# Altium PCB Mirny.PcbDoc (part 6 of 8)
Units mm, origin at the board's own origin, x right, y up, seen from the top; angles counter-clockwise.
Board outline 161.99 x 100.04 mm, 6 copper layers (L1, P2, L3, L4, P5, L6), stack 1.56 mm thick; 832 components, 485 nets, 2438 pads, 1482 vias.
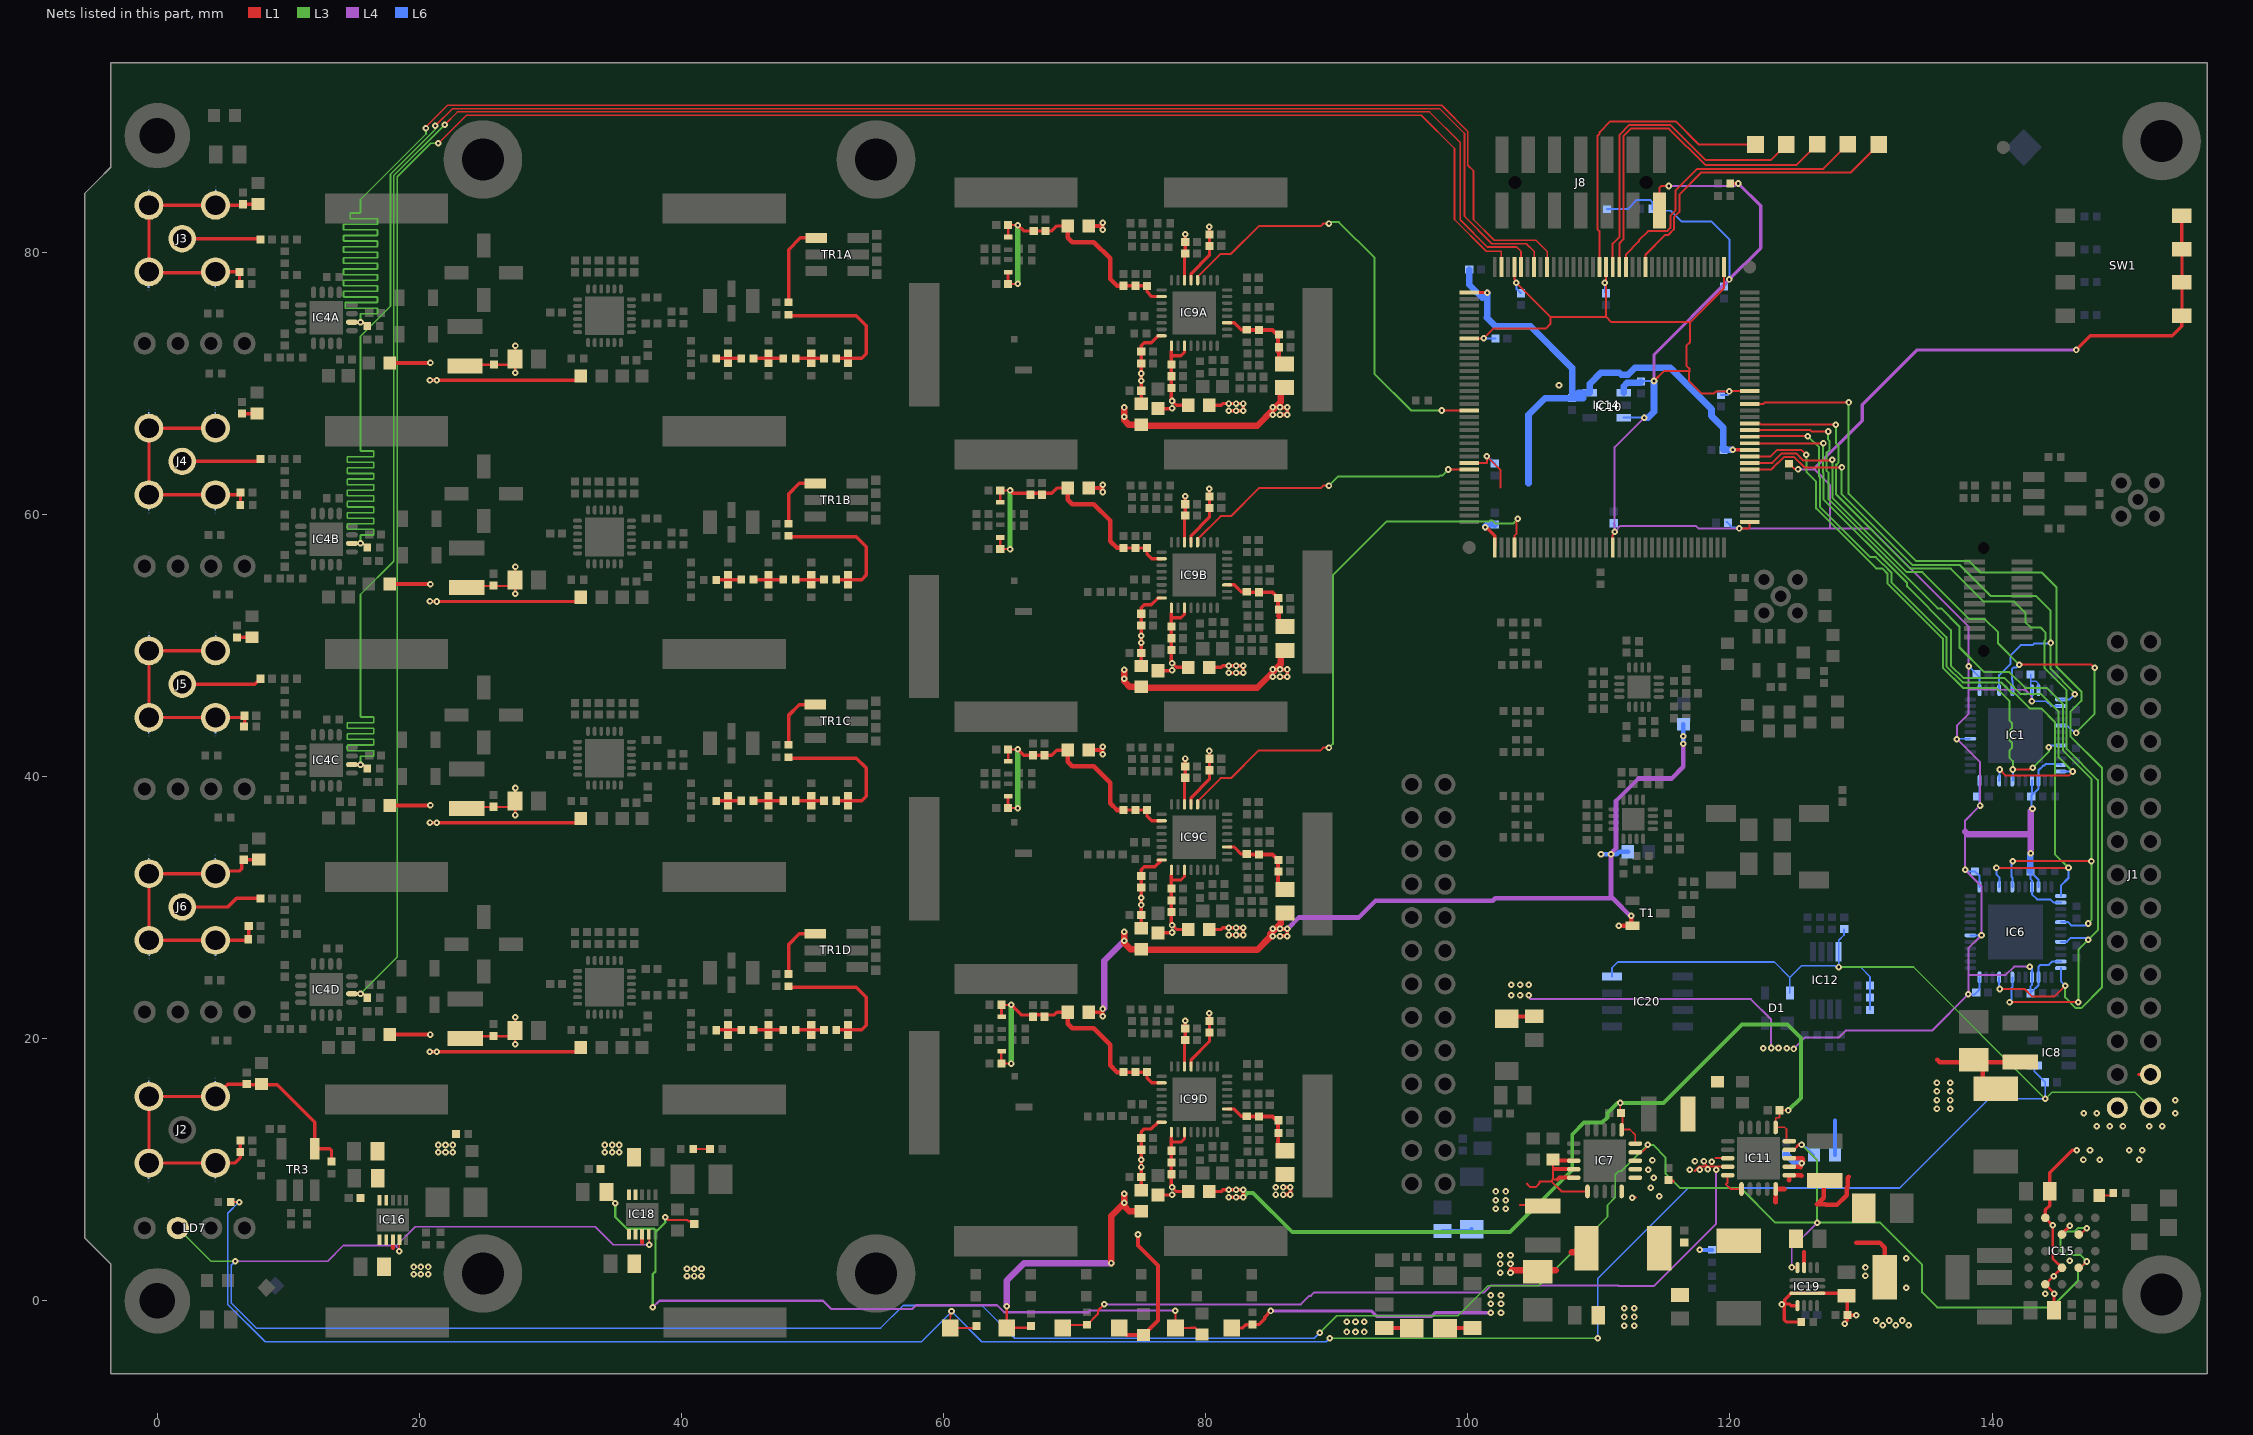
[diagram p10: the nets of this part, all layers, seen from the top]

## Via types
v1: diameter 0.5, hole 0.2, L1 to L6, tented both sides, 1370 vias
v2: diameter 0.6, hole 0.3, L1 to L6, tented both sides, 76 vias
v3: diameter 0.66, hole 0.33, L1 to L6, tented both sides, 36 vias

## Nets (pads, with @x,y where several pads share a name; then routed paths per layer and width w, separated by ;. In a path a pad name is that pad's centre, name@x,y a point inside that pad or via, vN(x,y) a via of type N, cw(c..) or ccw(c..) an arc to the next point about the centre after c; other vN are vias at no path point) (continued)
NetR19A_2: R19A.2 R34A.1 R39A.2 R47A.2 | length 10.8
  L1 w0.265: R47A.2@48.169,75.166 53.346,75.166 54.098,74.414 54.098,72.264 53.748,71.914 R34A.1@51.81,71.914
NetR19B_2: R19B.2 R34B.1 R39B.2 R47B.2 | length 10.8
  L1 w0.265: R47B.2@48.169,58.287 53.346,58.287 54.098,57.535 54.098,55.385 53.748,55.035 R34B.1@51.81,55.035
NetR19C_2: R19C.2 R34C.1 R39C.2 R47C.2 | length 10.8
  L1 w0.265: R47C.2@48.169,41.408 53.346,41.408 54.098,40.656 54.098,38.506 53.748,38.156 R34C.1@51.81,38.156
NetR19D_2: R19D.2 R34D.1 R39D.2 R47D.2 | length 10.8
  L1 w0.265: R47D.2@48.167,23.92 53.344,23.92 54.096,23.168 54.096,21.018 53.746,20.668 R34D.1@51.808,20.668
NetR20A_2: R20A.2 R34A.2 R36A.1 R40A.2 | length 2.2
  L1 w0.265: R36A.1@48.71,71.914 R34A.2@50.87,71.914
NetR20B_2: R20B.2 R34B.2 R36B.1 R40B.2 | length 2.2
  L1 w0.265: R36B.1@48.71,55.035 R34B.2@50.87,55.035
NetR20C_2: R20C.2 R34C.2 R36C.1 R40C.2 | length 2.2
  L1 w0.265: R36C.1@48.71,38.156 R34C.2@50.87,38.156
NetR20D_2: R20D.2 R34D.2 R36D.1 R40D.2 | length 2.2
  L1 w0.265: R36D.1@48.708,20.668 R34D.2@50.868,20.668
NetR22A_2: R22A.2 R36A.2 R37A.1 R41A.2 | length 2.3
  L1 w0.265: R37A.1@45.494,71.914 R36A.2@47.77,71.914
NetR22B_2: R22B.2 R36B.2 R37B.1 R41B.2 | length 2.3
  L1 w0.265: R37B.1@45.494,55.035 R36B.2@47.77,55.035
NetR22C_2: R22C.2 R36C.2 R37C.1 R41C.2 | length 2.3
  L1 w0.265: R37C.1@45.494,38.156 R36C.2@47.77,38.156
NetR22D_2: R22D.2 R36D.2 R37D.1 R41D.2 | length 2.3
  L1 w0.265: R37D.1@45.492,20.668 R36D.2@47.768,20.668
NetR31A_2: R31A.2 R37A.2 R38A.2 R42A.2 | length 1.9
  L1 w0.265: R38A.2@42.643,71.889 42.668,71.914 R37A.2@44.554,71.914
NetR31B_2: R31B.2 R37B.2 R38B.2 R42B.2 | length 1.9
  L1 w0.265: R38B.2@42.643,55.01 42.668,55.035 R37B.2@44.554,55.035
NetR31C_2: R31C.2 R37C.2 R38C.2 R42C.2 | length 1.9
  L1 w0.265: R38C.2@42.643,38.131 42.668,38.156 R37C.2@44.554,38.156
NetR31D_2: R31D.2 R37D.2 R38D.2 R42D.2 | length 1.9
  L1 w0.265: R38D.2@42.641,20.643 42.666,20.668 R37D.2@44.552,20.668
NetR47A_1: R47A.1 TR1A.3 | length 6.5
  L1 w0.265: R47A.1@48.169,76.182 48.169,80.203 49.07,81.104 TR1A.3@50.291,81.104
NetR47B_1: R47B.1 TR1B.3 | length 4.6
  L1 w0.265: 48.165,61.542 48.996,62.373 TR1B.3@50.217,62.373 ; R47B.1@48.169,59.303 48.169,61.542
NetR47C_1: R47C.1 TR1C.3 | length 4.6
  L1 w0.265: 48.165,44.663 48.996,45.494 TR1C.3@50.217,45.494 ; R47C.1@48.169,42.424 48.169,44.663
NetR47D_1: R47D.1 TR1D.3 | length 4.6
  L1 w0.265: 48.163,27.175 48.994,28.006 TR1D.3@50.215,28.006 ; R47D.1@48.167,24.936 48.167,27.175
NetR107_1: R107.1 R108.2 | length 1.1
  L1 w0.152: R108.2@148.181,8.042 R107.1@149.244,8.042
NetR114_1: R114.1 R131.2 | length 1.3
  L1 w0.152: R114.1@40.888,11.591 R131.2@42.171,11.591
P1V8D: C198.2 C199.2 C200.2 C201.2 IC10.1 IC10.37 IC10.84 IC14.5 | length 48.3
  L1 w0.254: IC10.1@100.104,76.934 v1(101.494,76.934) ; v1(101.334,59.027) 101.399,59.027 102.054,58.372 IC10.37@102.054,57.484 ; v1(120.204,64.934) IC10.84@121.504,64.934
  L6 w0.5: C201.2@100.104,78.684 100.104,77.534 101.104,76.534 v1@101.494,76.923 ; v1(101.334,59.027) 101.334,59.093 101.492,59.252 102.036,59.252 C199.2@102.054,59.234 ; v1(101.494,76.934) v1@101.494,76.923 ; 104.628,62.393 104.628,67.608 105.904,68.884 C198.2@107.954,68.884 ; v1(120.204,64.934) C200.2@119.504,64.934 119.504,66.61 118.592,67.522 118.592,68.046 115.454,71.184 112.74,71.184 112.219,70.662 111.7,70.662 111.563,70.799 110.132,70.799 109.294,69.961 IC14.5@109.294,69.286 108.411,69.286 108.814,68.884 C198.2@107.954,68.884 ; v1@101.494,76.923 101.494,75.057 101.454,75.017 102.112,74.359 104.779,74.359 107.954,71.184 C198.2@107.954,68.884
P3V3: C2.2 C3.2 C4.2 C5.2 C6.2 C7.2 C8.2 C9.2 C104.2 C106.2 C166.2 C184.2 C185.2 C186.2 C187.2 C188.2 C192.2 C193.2 C197.2 IC1.2 IC1.11 IC1.15 IC1.16 IC1.24 IC1.30 IC1.37 IC1.45 IC1.46 IC6.2 IC6.11 IC6.15 IC6.16 IC6.24 IC6.30 IC6.37 IC6.45 IC6.46 IC10.8 IC10.27 IC10.55 IC10.73 IC10.93 IC10.109 IC10.127 IC10.141 IC11.1 IC11.18 IC11.19 IC11.20 IC14.1 IC14.3 J8.2 L10.2 R1.2 R66.2 R67.2 R115.1 R118.2 R130.2 SW1.1 SW1.2 SW1.3 SW1.4 TP12.1 | length 385.7
  L1 w0.152: TP12.1@69.102,-2.07 69.344,-1.828 R115.1@70.943,-1.828 71.779,-0.992 71.779,-0.74 v1(72.251,-0.269) ; IC10.27@100.104,63.934 101.454,63.934 v1(101.454,64.434) 102.478,63.41 102.478,62.067 ; IC10.8@100.104,73.434 v1(101.204,73.434) 101.954,74.184 105.954,74.184 106.304,74.534 106.304,75.084 ; IC10.141@103.554,78.884 103.554,77.934 103.704,77.784 v1(103.704,77.684) 106.304,75.084 ; IC10.55@111.054,57.484 111.054,58.434 111.204,58.584 v1(111.204,58.684) ; v1(114.204,70.184) 114.954,70.934 116.915,70.934 ; J8.2@114.611,83.199 114.611,84.922 114.753,85.065 v1(115.342,85.065) ; 117.294,9.888 117.636,10.23 v1@118.319,10.23 ; v1@117.994,10.555 v1@118.319,10.23 ; 118.879,10.888 119.823,10.888 IC11.18@119.831,10.88 ; IC10.109@119.554,78.884 119.554,77.284 116.954,74.684 ; IC11.20@119.831,9.58 119.831,9.026 119.693,8.888 120.051,8.53 IC11.1@120.881,8.53 ; IC11.19@119.831,10.23 v1@118.319,10.23 ; v1(119.954,69.387) 118.943,69.387 118.769,69.213 117.851,69.213 116.882,70.182 116.882,70.901 116.915,70.934 ; 120.204,69.434 IC10.93@121.504,69.434 ; v1(120.704,58.934) 121.454,58.934 121.504,58.984 IC10.73@121.504,59.434 ; R1.2@124.504,63.885 124.935,63.453 ; SW1.1@154.474,75.173 SW1.1@154.495,75.194 ; SW1.3@154.474,80.253 SW1.3@154.495,80.233 ; 106.304,75.084 110.554,75.084 ; 110.554,75.084 IC10.127@110.554,78.884 ; 110.554,75.084 110.954,74.684 116.954,74.684 ; IC10.127@110.554,78.884 110.554,77.684 IC10.127@110.554,78.884 ; 116.915,70.934 116.915,71.12 116.675,71.36 116.675,72.882 116.954,73.161 116.954,74.684
  L1 w0.25: R130.2@120.028,85.255 v1(120.646,85.255) ; v1(146.419,72.555) 147.502,73.638 153.743,73.638 154.474,74.37 SW1.1@154.474,75.173 ; SW1.3@154.474,80.253 SW1.4@154.474,82.793 ; SW1.1@154.495,75.194 SW1.3@154.495,80.233
  L1 w0.3: L10.2@102.964,21.529 103.144,21.71 C106.2@105.059,21.71
  L4 w0.127: 138.219,46.569 138.288,46.638 142.544,46.638 142.994,46.188 142.994,45.788 v1(143.044,45.738)
  L4 w0.152: v1(72.251,-0.269) 87.252,-0.269 87.892,0.371 88.019,0.371 88.287,0.639 101.235,0.639 101.753,1.157 111.484,1.157 111.52,1.122 114.183,1.122 118.944,5.883 v1(118.944,9.988) ; v1(104.658,23.327) 104.724,23.26 104.724,23.077 104.776,23.025 121.59,23.025 123.149,21.466 123.149,19.377 v1@123.114,19.342 ; v1(111.204,58.684) v1@111.204,58.712 ; v1(113.454,67.386) 111.204,65.136 v1@111.204,58.712 ; v1(115.342,85.065) 120.361,85.065 120.552,85.255 v1(120.646,85.255) ; v1(120.704,58.934) 117.583,58.934 117.393,59.124 111.644,59.124 111.232,58.712 v1@111.204,58.712 ; v1@120.796,58.934 127.623,58.934 ; v1(124.874,19.218) 125.76,20.104 128.321,20.104 128.829,20.612 135.418,20.612 v1(138.194,23.388) 138.194,24.863 ; v1(125.195,63.439) 126.451,63.439 127.623,62.268 127.623,58.934 ; v1(137.319,42.863) 137.319,43.885 138.219,44.785 138.219,46.569 v1@138.219,48.354 ; v1@137.338,42.844 139.084,41.098 v1(139.084,37.791) ; v1(137.944,32.888) 137.944,35.789 137.944,36.651 v1@138.989,37.696 ; v1@138.037,32.796 139.194,31.638 v1(139.194,27.888) ; v1(138.219,48.413) 138.219,51.417 130.703,58.934 127.623,58.934 ; v1@139.18,27.874 138.194,26.888 138.194,24.863 ; v1(142.863,25.502) 141.682,25.502 141.044,24.863 138.194,24.863
  L4 w0.25: v1(114.204,70.184) 114.204,72.184 v1(119.954,77.934) 122.352,80.332 122.352,83.549 v1(120.646,85.255) ; 126.451,63.475 126.451,63.521 130.099,67.169 130.099,68.364 134.29,72.555 v1(146.419,72.555)
  L4 w0.483: 137.944,35.789 138.134,35.598 142.944,35.598 ; v1(142.944,34.138) 142.944,35.598 ; v1(143.084,37.541) 143.084,37.536 142.944,37.396 142.944,35.598
  L6 w0.127: v1(137.319,42.863) 137.344,42.888 IC1.30@138.344,42.888 ; v1(138.219,48.413) 139.044,47.588 IC1.37@139.044,46.588 ; C4.2@142.944,47.788 142.944,47.278 ; IC1.46@143.544,46.588 143.544,47.088 143.354,47.278 142.944,47.278 ; IC1.2@145.244,45.388 144.494,45.388 144.144,45.738 v1(143.044,45.738) IC1.45@143.044,46.588 142.944,46.688 142.944,47.278
  L6 w0.152: v1(101.204,73.434) C193.2@102.104,73.434 ; v1(101.454,64.434) 101.704,64.184 101.754,64.184 C187.2@102.054,63.884 ; v1(103.704,77.684) 103.704,77.184 103.754,77.184 C192.2@104.054,76.884 ; v1(110.454,77.684) 110.454,76.984 C188.2@110.554,76.884 ; R67.2@110.611,83.294 112.189,83.294 112.897,84.003 113.912,84.003 114.081,83.834 R66.2@114.081,83.324 114.229,83.176 115.489,83.176 116.321,82.344 118.604,82.344 119.954,80.994 v1(119.954,77.934) 119.954,77.835 119.554,77.435 C184.2@119.554,77.384 ; C104.2@111.13,59.328 111.204,59.254 v1(111.204,58.684) ; IC14.3@111.894,67.386 v1(113.454,67.386) ; C197.2@113.204,70.134 113.254,70.184 v1(114.204,70.184) ; C186.2@119.304,69.134 119.865,69.134 ; C185.2@119.754,59.434 120.194,58.994 120.704,58.994 v1(120.704,58.934) ; v1(137.944,32.888) 138.069,32.763 C6.2@138.694,32.763 139.044,32.413 IC6.37@139.044,31.588 ; v1(138.194,23.388) 138.669,23.388 C7.2@138.794,23.513 139.044,23.763 IC6.24@139.044,24.688 ; IC6.30@138.344,27.888 v1(139.194,27.888) ; IC1.24@139.044,39.688 139.044,37.831 v1(139.084,37.791) ; v1(142.863,25.502) 142.881,25.502 143.044,25.338 IC6.16@143.044,24.688 143.044,24.105 142.919,23.979 C8.2@142.919,23.463 ; v1@142.919,34.113 v1(142.944,34.138) ; C2.2@142.973,38.51 C2.2@143.044,38.581 ; C8.2@143.044,23.588 143.544,24.088 IC6.15@143.544,24.688 143.544,25.488 143.694,25.638 144.332,25.638 144.582,25.888 IC6.11@145.244,25.888 ; IC1.16@143.044,39.688 C2.2@143.044,38.581 ; v1(143.084,37.541) 142.994,37.631 C2.2@142.994,38.488 143.044,38.538 C2.2@143.044,38.581 ; IC6.46@143.544,31.588 143.544,32.138 C3.2@142.919,32.763 142.919,32.213 143.044,32.088 IC6.45@143.044,31.588 143.044,31.038 143.444,30.638 144.444,30.638 144.694,30.388 IC6.2@145.244,30.388 ; IC1.11@145.244,40.888 145.161,40.971 144.114,40.971 143.978,40.835 143.891,40.835 143.544,40.488 IC1.15@143.544,39.688 143.544,39.081 C2.2@143.044,38.581
  L6 w0.483: C3.2@142.919,32.763 v1@142.919,34.113
  L6 w0.5: IC14.1@111.894,69.286 111.894,69.786 112.143,70.035 113.106,70.035 C197.2@113.204,70.134 ; v1(113.454,67.386) 113.751,67.386 114.204,67.839 ; 114.204,67.839 v1(114.204,70.184)
  other v1: 116.944,9.988 117.694,9.988 118.294,10.033 118.625,10.617 117.329,10.643 118.015,10.643 122.543,19.279 124.321,19.279 123.149,19.288 123.703,19.288 103.324,23.327 103.983,23.327 103.324,24.105 103.983,24.105 104.658,24.105 106.954,69.859
P3V3_AVDD1A: C36A.2 C37A.2 C38A.2 C39A.2 C40A.2 IC9A.5 IC9A.16 L6A.1 | length 11
  L1 w0.25: C38A.2@75.077,69.444 75.078,70.287 75.078,70.841 75.078,71.445 C39A.2@75.079,71.446 ; C39A.2@75.078,71.451 C40A.2@75.078,72.428 75.078,72.884 75.308,73.114 75.848,73.114 76.362,73.628 IC9A.16@76.63,73.628 ; IC9A.5@78.88,77.878 78.88,78.385 80.281,79.786 C37A.2@80.281,80.486 C36A.2@80.281,81.36 v1(80.281,81.955)
  L1 w0.3: L6A.1@75.078,68.438 C38A.2@75.077,69.444
  other v1: 75.079,70.206 75.079,70.76
P3V3_AVDD1B: C36B.2 C37B.2 C38B.2 C39B.2 C40B.2 IC9B.5 IC9B.16 L6B.1 | length 11
  L1 w0.25: C38B.2@75.077,49.444 75.078,50.287 75.078,50.841 75.078,51.445 C39B.2@75.079,51.446 ; C39B.2@75.078,51.451 C40B.2@75.078,52.428 75.078,52.884 75.308,53.114 75.848,53.114 76.362,53.628 IC9B.16@76.63,53.628 ; IC9B.5@78.88,57.878 78.88,58.385 80.281,59.786 C37B.2@80.281,60.486 C36B.2@80.281,61.36 v1(80.281,61.955)
  L1 w0.3: L6B.1@75.078,48.438 C38B.2@75.077,49.444
  other v1: 75.079,50.206 75.079,50.759
P3V3_AVDD1C: C36C.2 C37C.2 C38C.2 C39C.2 C40C.2 IC9C.5 IC9C.16 L6C.1 | length 11.2
  L1 w0.25: C38C.2@75.077,29.443 75.078,30.287 75.078,31.445 C39C.2@75.079,31.446 ; C39C.2@75.078,31.451 C40C.2@75.078,32.428 75.078,32.884 75.308,33.114 75.848,33.114 76.116,33.114 IC9C.16@76.63,33.628 IC9C.16@76.362,33.628 ; IC9C.5@78.88,37.878 78.88,38.385 80.281,39.786 C37C.2@80.281,40.486 C36C.2@80.281,41.36 v1(80.281,41.955)
  L1 w0.3: L6C.1@75.078,28.438 C38C.2@75.077,29.443
  other v1: 75.079,30.205 75.079,30.759
P3V3_AVDD1D: C36D.2 C37D.2 C38D.2 C39D.2 C40D.2 IC9D.5 IC9D.16 L6D.1 | length 11
  L1 w0.25: C38D.2@75.077,9.443 75.078,10.286 75.078,10.84 75.078,11.445 C39D.2@75.079,11.446 ; C39D.2@75.078,11.451 C40D.2@75.078,12.428 75.078,12.884 75.308,13.114 75.848,13.114 76.362,13.628 IC9D.16@76.63,13.628 ; IC9D.5@78.88,17.878 78.88,18.385 80.281,19.786 C37D.2@80.281,20.486 C36D.2@80.281,21.36 v1(80.281,21.955)
  L1 w0.3: L6D.1@75.078,8.438 C38D.2@75.077,9.443
  other v1: 75.079,10.205 75.079,10.759
P3V3_AVRF1A: C1A.2 C12A.2 C44A.2 C46A.2 C140A.2 C141A.2 C142A.2 IC9A.10 L16A.1 L17A.1 L18A.1 | length 23.1
  L1 w0.152: C44A.2@64.911,77.597 v1(65.663,77.597) ; C1A.2@64.911,82.078 v1(65.663,82.078)
  L1 w0.2: C44A.2@64.911,77.597 64.911,78.5 L17A.1@64.92,78.508 ; C1A.2@64.911,82.078 64.92,82.069 L16A.1@64.92,81.153
  L1 w0.25: v1(65.663,82.078) 66.105,81.636 68.264,81.636 68.645,82.017 L18A.1@69.473,82.017 ; C140A.2@73.738,77.449 C141A.2@74.63,77.449 74.633,77.446 C142A.2@75.525,77.446 75.525,76.981 75.878,76.628 IC9A.10@76.63,76.628
  L1 w0.35: L18A.1@69.473,82.017 69.473,81.128 69.817,80.783 71.468,80.783 72.711,79.54 72.711,77.966 73.228,77.449 C140A.2@73.738,77.449
  L3 w0.4: v1(65.663,77.597) v1(65.663,82.078)
P3V3_AVRF1B: C1B.2 C12B.2 C44B.2 C46B.2 C140B.2 C141B.2 C142B.2 IC9B.10 L16B.1 L17B.1 L18B.1 | length 23.6
  L1 w0.152: C44B.2@64.316,57.353 v1(65.067,57.353) ; C1B.2@64.316,61.833 v1(65.067,61.833)
  L1 w0.2: C44B.2@64.316,57.353 64.316,58.255 L17B.1@64.325,58.263 ; C1B.2@64.316,61.833 64.325,61.825 L16B.1@64.325,60.908
  L1 w0.25: v1@65.067,61.815 65.258,61.625 66.746,61.625 67.643,61.625 68.253,61.625 68.645,62.017 L18B.1@69.473,62.017 ; C140B.2@73.738,57.449 C141B.2@74.63,57.449 74.633,57.446 C142B.2@75.525,57.446 75.525,56.981 75.878,56.628 IC9B.10@76.63,56.628
  L1 w0.35: L18B.1@69.473,62.017 69.473,61.128 69.817,60.783 71.468,60.783 72.711,59.54 72.711,57.966 73.228,57.449 C140B.2@73.738,57.449
  L3 w0.4: v1(65.067,57.353) v1(65.067,61.833)
P3V3_AVRF1C: C1C.2 C12C.2 C44C.2 C46C.2 C140C.2 C141C.2 C142C.2 IC9C.10 L16C.1 L17C.1 L18C.1 | length 23.1
  L1 w0.152: C44C.2@64.911,37.597 v1(65.663,37.597) ; C1C.2@64.911,42.078 v1(65.663,42.078)
  L1 w0.2: C44C.2@64.911,37.597 64.911,38.499 L17C.1@64.92,38.508 ; C1C.2@64.911,42.078 64.92,42.069 L16C.1@64.92,41.153
  L1 w0.25: v1(65.663,42.078) 66.111,41.63 C12C.2@66.81,41.63 C46C.2@67.707,41.63 68.258,41.63 68.645,42.016 L18C.1@69.473,42.016 ; C140C.2@73.738,37.449 C141C.2@74.63,37.449 74.633,37.446 C142C.2@75.525,37.446 75.525,36.981 75.878,36.628 IC9C.10@76.63,36.628
  L1 w0.35: L18C.1@69.473,42.016 69.473,41.127 69.817,40.783 71.468,40.783 72.711,39.54 72.711,37.966 73.228,37.449 C140C.2@73.738,37.449
  L3 w0.4: v1(65.663,37.597) v1(65.663,42.078)
P3V3_AVRF1D: C1D.2 C12D.2 C44D.2 C46D.2 C140D.2 C141D.2 C142D.2 IC9D.10 L16D.1 L17D.1 L18D.1 | length 23.6
  L1 w0.152: C44D.2@64.403,18.105 v1(65.155,18.105) ; C1D.2@64.403,22.586 v1(65.155,22.586)
  L1 w0.2: C44D.2@64.403,18.105 L17D.1@64.403,19.007 ; C1D.2@64.403,22.586 64.412,22.577 L16D.1@64.412,21.661
  L1 w0.25: v1(65.155,22.586) 65.925,21.815 66.81,21.815 66.82,21.825 C46D.2@67.707,21.825 ; C46D.2@67.707,21.815 68.444,21.815 68.645,22.016 L18D.1@69.473,22.016 ; C140D.2@73.738,17.449 C141D.2@74.63,17.449 74.633,17.446 C142D.2@75.525,17.446 75.525,16.981 75.878,16.628 IC9D.10@76.63,16.628
  L1 w0.35: L18D.1@69.473,22.016 69.473,21.127 69.817,20.783 71.468,20.783 72.711,19.54 72.711,17.966 73.228,17.449 C140D.2@73.738,17.449
  L3 w0.4: v1(65.155,18.105) v1(65.155,22.586)
P3V3_DVDDA: C26A.2 C28A.2 C29A.2 IC9A.27 L11A.2 R12A.1 | length 6.7
  L1 w0.25: IC9A.27@81.63,74.628 82.176,74.628 82.713,74.092 R12A.1@83.125,74.092
  L1 w0.3: R12A.1@83.125,74.092 83.153,74.064 C29A.2@84.078,74.064 85.103,74.064 85.528,73.639 85.528,73.172 85.531,73.17 C28A.2@85.531,72.639 ; 85.53,72.377 85.531,72.378 C28A.2@85.531,72.763 ; L11A.2@85.577,71.711 85.577,72.377 C28A.2@85.577,72.763
P3V3_DVDDB: C26B.2 C28B.2 C29B.2 IC9B.27 L11B.2 R12B.1 | length 6.7
  L1 w0.25: IC9B.27@81.63,54.628 82.176,54.628 82.713,54.092 R12B.1@83.125,54.092
  L1 w0.3: R12B.1@83.125,54.092 83.153,54.064 C29B.2@84.078,54.064 85.103,54.064 C26B.2@85.528,53.639 85.528,53.172 85.531,53.17 85.531,52.253 85.53,52.252 ; L11B.2@85.577,51.686 C28B.2@85.577,52.739
P3V3_DVDDC: C26C.2 C28C.2 C29C.2 IC9C.27 L11C.2 R12C.1 | length 6.7
  L1 w0.25: IC9C.27@81.63,34.628 82.176,34.628 82.713,34.092 R12C.1@83.125,34.092
  L1 w0.3: R12C.1@83.125,34.092 83.153,34.064 C29C.2@84.078,34.064 85.103,34.064 85.528,33.639 85.528,33.172 85.531,33.17 85.531,32.766 85.531,32.253 85.53,32.252 L11C.2@85.53,31.2
P3V3_DVDDD: C26D.2 C28D.2 C29D.2 IC9D.27 L11D.2 R12D.1 | length 6.7
  L1 w0.25: IC9D.27@81.63,14.628 82.176,14.628 82.713,14.092 R12D.1@83.125,14.092
  L1 w0.3: R12D.1@83.125,14.092 83.153,14.064 C29D.2@84.078,14.064 85.103,14.064 85.528,13.639 85.528,13.172 85.531,13.17 85.531,12.797 85.531,12.253 85.53,12.252 L11D.2@85.53,11.2
P3V3_MP: C10.2 C48.2 D1.4 IC8.4 IC12.8 IC20.8 J1.30 R116.1 R120.2 R121.2 R122.2 R143.1 TP14.1 | length 224.3
  L1 w0.127: R143.1@5.595,7.534 v1(6.239,7.534) ; v1(60.6,-0.799) 60.529,-0.87 60.529,-1.219 60.513,-1.235 TP14.1@60.513,-2.07 62.365,-2.07 R116.1@62.513,-1.922
  L3 w0.127: v1(89.459,-2.85) v1(109.906,-2.85) ; v1(128.292,25.466) 134.003,25.466 v1(144.064,15.405) 144.572,15.913 150.912,15.913 J1.30@152.098,14.727
  L6 w0.127: v1(6.239,7.534) 5.385,6.679 5.385,-0.279 8.224,-3.118 58.312,-3.118 60.6,-0.83 v1(60.6,-0.799) 62.92,-3.118 89.191,-3.118 v1(89.459,-2.85) ; v1(109.906,-2.85) 109.906,1.7 116.817,8.611 132.957,8.611 139.751,15.405 v1(144.064,15.405) 144.051,15.418 C10.2@144.051,16.675 143.223,17.504 IC8.4@143.223,17.963 ; IC20.8@110.999,24.733 110.999,25.406 111.446,25.853 123.393,25.853 124.572,24.674 ; D1.4@124.572,23.477 124.572,24.674 ; v1@128.131,25.438 128.131,25.526 128.119,25.538 128.031,25.538 128.004,25.565 125.464,25.565 124.572,24.674 ; C48.2@128.703,28.356 128.703,27.914 128.292,27.503 IC12.8@128.292,26.642 v1(128.292,25.466) 129.957,25.466 130.687,24.736 R122.2@130.687,24.064 R121.2@130.687,23.13 R120.2@130.687,22.196
P3V3A: C78.2 IC7.1 IC7.18 IC7.19 IC7.20 L3.2 L6A.2 L6B.2 L6C.2 L6D.2 L11A.1 L11B.1 L11C.1 L11D.1 L13.2 L18A.2 L18B.2 L18C.2 L18D.2 R23.2 R144.1 T1.2 TP13.1 | length 149.3
  L1 w0.152: 103.973,7.312 103.983,7.301 C78.2@104.495,7.301 ; 104.495,8.949 104.775,8.669 105.171,8.669 105.451,8.949 105.451,9.086 106.324,9.086 ; 106.364,9.127 106.494,9.257 ; 106.494,10.045 R23.2@106.494,10.786 106.494,9.257 ; 106.853,9.257 106.494,9.257 ; IC7.18@107.99,10.786 IC7.18@108.081,10.695 ; IC7.1@109.131,8.345 107.146,8.345 106.405,9.086 106.324,9.086 ; 106.324,9.086 106.494,9.257
  L1 w0.2: v1(64.811,-0.413) 64.807,-0.416 TP13.1@64.807,-2.07 66.512,-2.07 R144.1@66.66,-1.922
  L1 w0.3: L18D.2@71.073,22.016 71.886,22.016 v1@72.14,21.762 ; L18C.2@71.073,42.016 71.886,42.016 v1@72.14,41.762 ; L18B.2@71.073,62.017 71.886,62.017 v1@72.14,61.763 ; L18A.2@71.073,82.017 71.886,82.017 v1@72.14,81.763 ; v1(72.14,21.716) v1@72.14,21.762 ; v1(72.14,22.27) v1@72.14,21.762 ; v1(72.14,41.717) v1@72.14,41.762 ; v1(72.14,42.27) v1@72.14,41.762 ; v1(72.14,61.717) v1@72.14,61.763 ; v1(72.14,62.271) v1@72.14,61.763 ; v1(72.14,81.717) v1@72.14,81.763 ; v1(72.14,82.271) v1@72.14,81.763 ; v1(85.111,27.822) 85.111,28.166 v1(85.111,28.376) ; v1(85.111,47.62) 85.111,47.963 v1(85.111,48.174) ; v1(85.111,67.62) 85.111,67.963 v1(85.111,68.174) ; 85.609,28.756 85.701,28.756 ; 85.609,48.553 85.701,48.553 ; 85.609,68.553 85.701,68.553 ; v1(85.665,27.822) v1(86.219,27.822) v1(86.219,28.376) v1@85.757,28.376 ; v1(85.665,47.62) v1(86.219,47.62) v1(86.219,48.174) v1@85.757,48.174 ; v1(85.665,67.62) v1(86.219,67.62) v1(86.219,68.174) v1@85.757,68.174 ; v1(85.901,8.109) v1(86.455,8.109) v1(86.455,8.663) v1@85.993,8.663 ; R23.2@106.494,10.786 106.585,10.695 IC7.18@108.081,10.695 ; 106.585,10.045 IC7.19@108.081,10.045 ; 106.853,9.257 106.992,9.395 IC7.20@108.081,9.395
  L1 w0.35: v1(111.513,28.611) 112.562,28.611 T1.2@112.566,28.616 112.466,28.716 v1(112.466,29.373)
  L1 w0.5: v1(72.789,2.881) 72.789,6.48 v1(73.777,7.468) ; v1@73.777,28.11 v1(73.777,27.468) 73.777,27.299 74.237,26.838 L6C.2@75.078,26.838 ; v1@73.777,48.11 73.777,47.27 74.209,46.838 L6B.2@75.078,46.838 ; v1@73.777,68.11 73.777,67.208 74.146,66.838 L6A.2@75.078,66.838 ; v1(73.791,8.166) 73.791,7.481 v1(73.777,7.468) ; L6D.2@75.078,6.838 74.171,6.838 73.777,7.233 v1(73.777,7.468) ; L6C.2@75.078,26.776 83.924,26.776 v1@84.939,27.791 ; L6B.2@75.078,46.777 83.924,46.777 85.111,47.963 85.701,48.553 85.729,48.581 L11B.1@85.729,49.625 ; L6A.2@75.078,66.777 83.924,66.777 85.111,67.963 85.701,68.553 85.729,68.581 L11A.1@85.729,69.625 ; v1@84.939,27.994 85.111,28.166 85.701,28.756 ; v1@85.493,28.548 85.701,28.756 ; L11C.1@85.729,29.827 85.729,28.783 85.701,28.756